# Altium PCB PCB_TEST.PcbDoc (part 6 of 6) (continued)
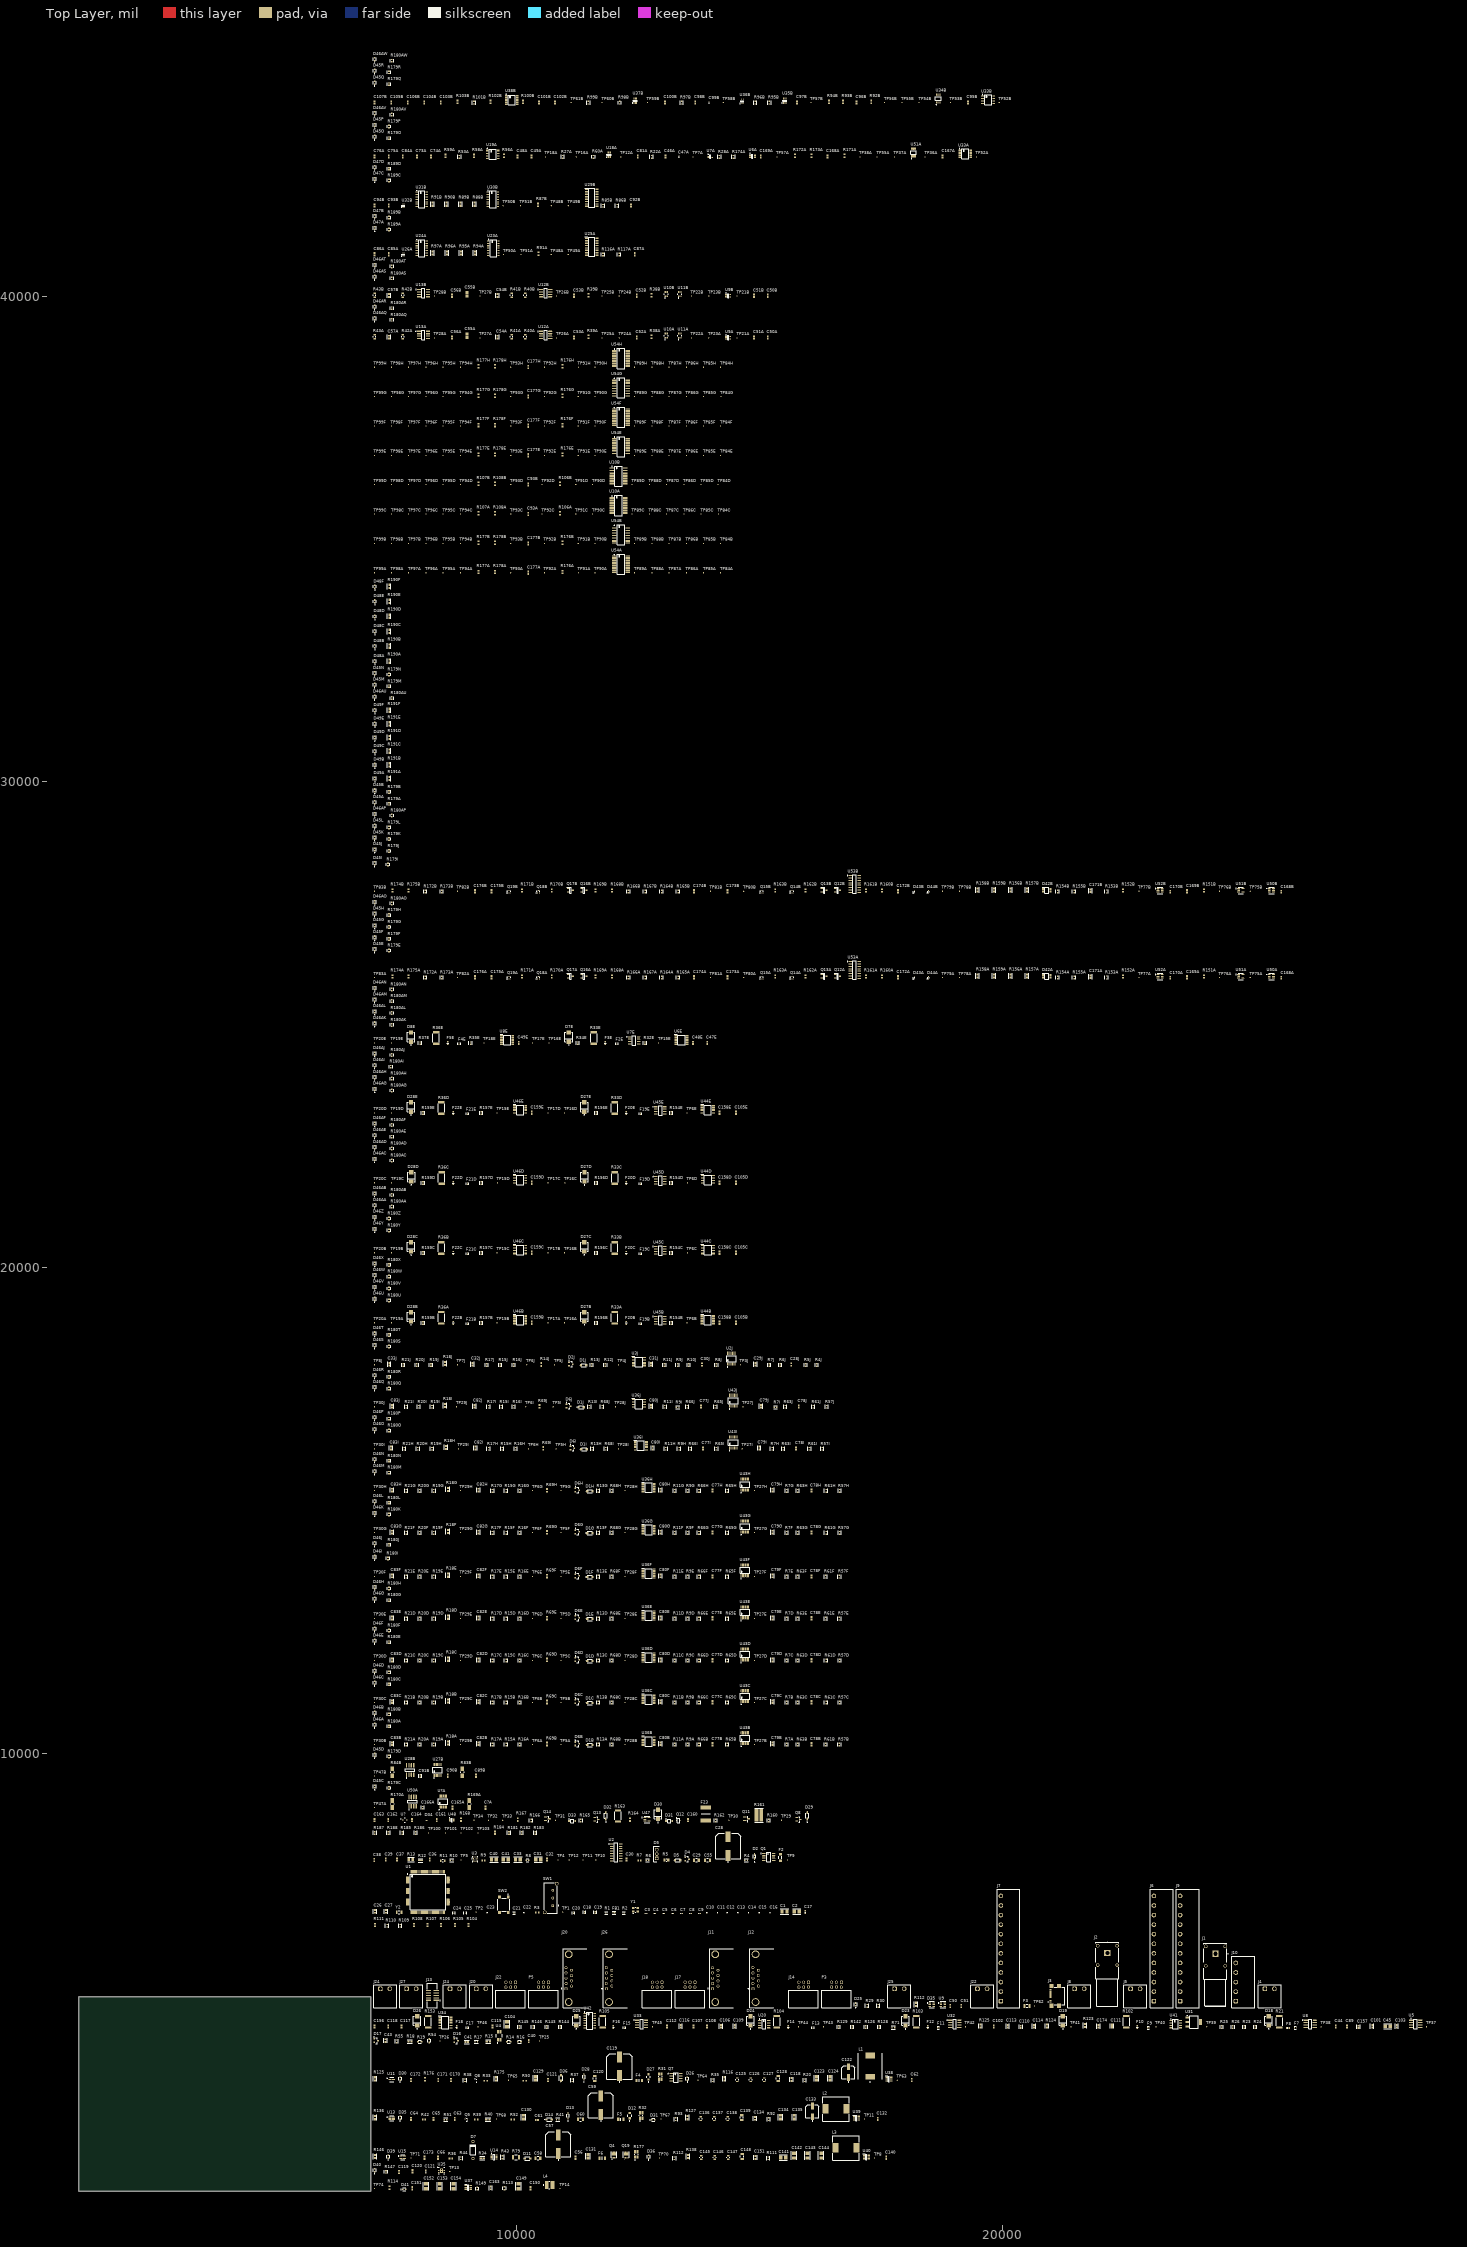
[diagram p0: Top Layer view]
## Nets (pads, with @x,y where several pads share a name; then routed paths per layer and width w, separated by ;. In a path a pad name is that pad's centre, name@x,y a point inside that pad or via, vN(x,y) a via of type N, cw(c..) or ccw(c..) an arc to the next point about the centre after c; other vN are vias at no path point) (continued)
  other v2: 8460,1398.35 8460,1441.65
HSE_OSC_IN: C18.1 U1.23 Y1.1
HSE_OSC_NEG: C19.1 R2.1 Y1.3
HSE_OSC_OUT: R2.2 U1.24
I2C_1K_BJT_BA: Q19A.1 R171A.1@10120,25965.47
I2C_1K_BJT_BB: Q19B.1 R171B.1
I2C_1K_PMOS_DA: C176A.2 Q16A.3 R174A.2@7450,26024.53 R175A.2 R179E.1
I2C_1K_PMOS_DB: C176B.2 Q16B.3 R174B.2 R175B.2 R179I.1
I2C_1K_PMOS_GA: Q16A.1 Q19A.3 R168A.1
I2C_1K_PMOS_GB: Q16B.1 Q19B.3 R168B.1
I2C_2K2_BJT_BA: Q14A.1 R162A.1
I2C_2K2_BJT_BB: Q14B.1 R162B.1
I2C_2K2_PMOS_DA: C173A.2 Q12A.3 R164A.2 R165A.2 R179F.1
I2C_2K2_PMOS_DB: C173B.2 Q12B.3 R164B.2 R165B.2 R179J.1
I2C_2K2_PMOS_GA: Q12A.1 Q14A.3 R160A.1
I2C_2K2_PMOS_GB: Q12B.1 Q14B.3 R160B.1
I2C_4K7_BJT_BA: Q18A.1 R170A.1@10730,25965.47
I2C_4K7_BJT_BB: Q18B.1 R170B.1
I2C_4K7_PMOS_DA: C175A.2 Q17A.3 R172A.2@8125,26001.64 R173A.2@8465,26001.64 R179G.1
I2C_4K7_PMOS_DB: C175B.2 Q17B.3 R172B.2 R173B.2 R179K.1
I2C_4K7_PMOS_GA: Q17A.1 Q18A.3 R169A.1@11630,25965.47
I2C_4K7_PMOS_GB: Q17B.1 Q18B.3 R169B.1
I2C_10K_BJT_BA: Q15A.1 R163A.1
I2C_10K_BJT_BB: Q15B.1 R163B.1
I2C_10K_PMOS_DA: C174A.2 Q13A.3 R166A.1 R167A.1 R179H.1
I2C_10K_PMOS_DB: C174B.2 Q13B.3 R166B.1 R167B.1 R179L.1
I2C_10K_PMOS_GA: Q13A.1 Q15A.3 R161A.1
I2C_10K_PMOS_GB: Q13B.1 Q15B.3 R161B.1
I2C_DMUX_Y0A: R171A.2@10120,26024.53 TP83A.1 U53A.15
I2C_DMUX_Y0B: R171B.2 TP83B.1 U53B.15
I2C_DMUX_Y1A: R162A.2 TP80A.1 U53A.14
I2C_DMUX_Y1B: R162B.2 TP80B.1 U53B.14
I2C_DMUX_Y2A: R170A.2@10730,26024.53 TP82A.1 U53A.13
I2C_DMUX_Y2B: R170B.2 TP82B.1 U53B.13
I2C_DMUX_Y3A: R163A.2 TP81A.1 U53A.12
I2C_DMUX_Y3B: R163B.2 TP81B.1 U53B.12
I2C_DUT.DUT_SCLA: P5.3 R157A.2
I2C_DUT.DUT_SCLB: J22.3 R157B.2@20515,27807.56
I2C_DUT.DUT_SDAA: P5.1 R159A.2
I2C_DUT.DUT_SDAB: J22.1@9985,5296.65 R159B.2@19835,27807.56
I2C_DUT_VCCA: Q12A.2 Q13A.2 Q16A.2 Q17A.2 R153A.2 R160A.2 R161A.2 R168A.2 R169A.2@11630,26024.53 TP76A.1 U50A.5@25583.33,26000 U50A.6@25583.33,26037.4 U52A.5 U52A.6
I2C_DUT_VCCB: Q12B.2 Q13B.2 Q16B.2 Q17B.2 R153B.2 R160B.2 R161B.2 R168B.2 R169B.2 TP76B.1 U50B.5 U50B.6 U52B.5 U52B.6
I2C_SCL1A: D42A.3 R154A.1 R156A.2 TP78A.1
I2C_SCL1B: D42B.3 R154B.1@21140,27718.36 R156B.2@20175,27807.56 TP78B.1
I2C_SCL2A: D42A.6 D43A.2 R157A.1 R164A.1 R166A.2 R172A.1@8125,25948.36 R174A.1@7450,25965.47
I2C_SCL2B: D42B.6 D43B.2 R157B.1@20515,27742.44 R164B.1 R166B.2 R172B.1 R174B.1
I2C_SDA1A: D42A.4 R155A.1 R158A.2 TP79A.1
I2C_SDA1B: D42B.4 R155B.1 R158B.2 TP79B.1
I2C_SDA2A: D42A.5 D44A.2 R159A.1 R165A.1 R167A.2 R173A.1@8465,25948.36 R175A.1
I2C_SDA2B: D42B.5 D44B.2 R159B.1@19835,27742.44 R165B.1 R167B.2 R173B.1 R175B.1
I2C_V_SELECTA: R151A.2 R180AO.1 TP75A.1 TP87B.1 U50A.3@25496.67,25962.6 U51A.2@24866.67,26000 U54B.24
I2C_V_SELECTA_N: R152A.2 TP77A.1 U51A.4@24953.33,25962.6 U52A.3
I2C_V_SELECTB: R151B.2 R180AP.1 TP75B.1 TP91B.1 U50B.3 U51B.2 U54B.28
I2C_V_SELECTB_N: R152B.2 TP77B.1 U51B.4 U52B.3
ILIM: R12.2 U3.10
IOex_GPA0H: TP84H.1 U54H.21
IOex_GPA1H: TP85H.1 U54H.22
IOex_GPA2H: TP86H.1 U54H.23
IOex_GPA3H: TP87H.1 U54H.24
IOex_GPA4H: TP88H.1 U54H.25
IOex_GPA5H: TP89H.1 U54H.26
IOex_GPA6H: TP90H.1 U54H.27
IOex_GPA7H: TP91H.1 U54H.28
IOex_GPB0B: TP92B.1 U54B.1
IOex_GPB0H: TP92H.1 U54H.1
IOex_GPB1B: TP93B.1 U54B.2
IOex_GPB1H: TP93H.1 U54H.2
IOex_GPB2A: TP94A.1 U54A.3
IOex_GPB2B: TP94B.1 U54B.3
IOex_GPB2C: TP94C.1 U10A.3@11967.2,35805.16
IOex_GPB2D: TP94D.1 U10B.3@11967.2,36410.16
IOex_GPB2E: TP94E.1 U54E.3
IOex_GPB2F: TP94F.1 U54F.3
IOex_GPB2G: TP94G.1 U54G.3
IOex_GPB2H: TP94H.1 U54H.3
IOex_GPB3A: TP95A.1 U54A.4
IOex_GPB3B: TP95B.1 U54B.4
IOex_GPB3C: TP95C.1 U10A.4@11967.2,35779.57
IOex_GPB3D: TP95D.1 U10B.4@11967.2,36384.57
IOex_GPB3E: TP95E.1 U54E.4
IOex_GPB3F: TP95F.1 U54F.4
IOex_GPB3G: TP95G.1 U54G.4
IOex_GPB3H: TP95H.1 U54H.4
IOex_GPB4A: TP96A.1 U54A.5
IOex_GPB4B: TP96B.1 U54B.5
IOex_GPB4C: TP96C.1 U10A.5@11967.2,35753.98
IOex_GPB4D: TP96D.1 U10B.5@11967.2,36358.98
IOex_GPB4E: TP96E.1 U54E.5
IOex_GPB4F: TP96F.1 U54F.5
IOex_GPB4G: TP96G.1 U54G.5
IOex_GPB4H: TP96H.1 U54H.5
IOex_GPB5A: TP97A.1 U54A.6
IOex_GPB5B: TP97B.1 U54B.6
IOex_GPB5C: TP97C.1 U10A.6@11967.2,35728.39
IOex_GPB5D: TP97D.1 U10B.6@11967.2,36333.39
IOex_GPB5E: TP97E.1 U54E.6
IOex_GPB5F: TP97F.1 U54F.6
IOex_GPB5G: TP97G.1 U54G.6
IOex_GPB5H: TP97H.1 U54H.6
IOex_GPB6A: TP98A.1 U54A.7
IOex_GPB6B: TP98B.1 U54B.7
IOex_GPB6C: TP98C.1 U10A.7
IOex_GPB6D: TP98D.1 U10B.7
IOex_GPB6E: TP98E.1 U54E.7
IOex_GPB6F: TP98F.1 U54F.7
IOex_GPB6G: TP98G.1 U54G.7
IOex_GPB6H: TP98H.1 U54H.7
IOex_GPB7A: TP99A.1 U54A.8
IOex_GPB7B: TP99B.1 U54B.8
IOex_GPB7C: TP99C.1 U10A.8
IOex_GPB7D: TP99D.1 U10B.8
IOex_GPB7E: TP99E.1 U54E.8
IOex_GPB7F: TP99F.1 U54F.8
IOex_GPB7G: TP99G.1 U54G.8
IOex_GPB7H: TP99H.1 U54H.8
IOex_INTAA: R177A.2 U54A.20
IOex_INTAB: R177B.2 U54B.20
IOex_INTAC: R107A.2 U10A.20
IOex_INTAD: R107B.2 U10B.20
IOex_INTAE: R177E.2 U54E.20
IOex_INTAF: R177F.2 U54F.20
IOex_INTAG: R177G.2 U54G.20
IOex_INTAH: R177H.2 U54H.20
IOex_INTBA: R178A.2 U54A.19
IOex_INTBB: R178B.2 U54B.19
IOex_INTBC: R108A.2 U10A.19
IOex_INTBD: R108B.2 U10B.19
IOex_INTBE: R178E.2 U54E.19
IOex_INTBF: R178F.2 U54F.19
IOex_INTBG: R178G.2 U54G.19
IOex_INTBH: R178H.2 U54H.19
IOex_nRESETA: R176A.1 U54A.18
IOex_nRESETB: R176B.1 U54B.18
IOex_nRESETC: R106A.1 U10A.18
IOex_nRESETD: R106B.1 U10B.18
IOex_nRESETE: R176E.1 U54E.18
IOex_nRESETF: R176F.1 U54F.18
IOex_nRESETG: R176G.1 U54G.18
IOex_nRESETH: R176H.1 U54H.18
LED_DR_3V3A: R190A.1
LED_DR_3V3B: R190B.1
LED_DR_3V3C: R190C.1
LED_DR_3V3D: R191D.1
LED_DR_3V3E: R190E.1
LED_DR_3V3F: R190F.1
Level_shifter_DIR: R168.2 U48.5
Level_shifter_OUT: D34.2 J25.1 U48.4
MCU_SCL_INT: U10A.12 U10B.12 U54A.12 U54B.12 U54E.12 U54F.12 U54G.12 U54H.12
MCU_SCLA: R156A.1
MCU_SCLB: R156B.1@20175,27742.44
MCU_SDA_INT: U10A.13 U10B.13 U54A.13 U54B.13 U54E.13 U54F.13 U54G.13 U54H.13
MCU_SDAA: R158A.1
MCU_SDAB: R158B.1
MCU_UART_RXA: R22A.1 R174A.1@14470,42838.36 TP7A.1
MCU_UART_RXB: R95B.1 R97B.1 TP58B.1
MCU_UART_TXA: R27A.1 TP16A.1@11235,42865
MCU_UART_TXB: R99B.1 TP60B.1
MUX_Out_1A: R156B.2@11645,18889.78 U44B.13 U45B.3
MUX_Out_1B: R156C.2 U44C.13 U45C.3
MUX_Out_1C: R156D.2 U44D.13 U45D.3
MUX_Out_1D: R156E.2 U44E.13 U45E.3
MUX_Out_1E: R34E.2 U6E.13 U7E.3
MUX_Out_2A: R159B.2@8080,18889.78 U45B.5 U46B.13
MUX_Out_2B: R159C.2 U45C.5 U46C.13
MUX_Out_2C: R159D.2 U45D.5 U46D.13
MUX_Out_2D: R159E.2 U45E.5 U46E.13
MUX_Out_2E: R37E.2 U7E.5 U8E.13
N_DI_3V3_compA: R7A.1 R57B.2 TP27B.1@14905,10190 U36B.15 U43B.1
N_DI_3V3_compB: R7B.1 R57C.2 TP27C.1 U36C.15 U43C.1
N_DI_3V3_compC: R7C.1 R57D.2 TP27D.1 U36D.15 U43D.1
N_DI_3V3_compD: R7D.1 R57E.2 TP27E.1 U36E.15 U43E.1
N_DI_3V3_compE: R7E.1 R57F.2 TP27F.1 U36F.15 U43F.1
N_DI_3V3_compF: R7F.1 R57G.2 TP27G.1 U36G.15 U43G.1
N_DI_3V3_compG: R7G.1 R57H.2 TP27H.1 U36H.15 U43H.1
N_DI_3V3_compH: R7H.1 R57I.2 TP27I.1 U36I.15 U43I.1
N_DI_3V3_compI: R7I.1 R57J.2 TP27J.1 U36J.15 U43J.1
N_DI_3V3_compJ: R4J.2 R7J.1 TP3J.1 U2J.1 U3J.15
N_DI_5V_compA: R11A.1 R66B.2 TP28B.1@12240,10190 U36B.14 U43B.2
N_DI_5V_compB: R11B.1 R66C.2 TP28C.1 U36C.14 U43C.2
N_DI_5V_compC: R11C.1 R66D.2 TP28D.1 U36D.14 U43D.2
N_DI_5V_compD: R11D.1 R66E.2 TP28E.1 U36E.14 U43E.2
N_DI_5V_compE: R11E.1 R66F.2 TP28F.1 U36F.14 U43F.2
N_DI_5V_compF: R11F.1 R66G.2 TP28G.1 U36G.14 U43G.2
N_DI_5V_compG: R11G.1 R66H.2 TP28H.1 U36H.14 U43H.2
N_DI_5V_compH: R11H.1 R66I.2 TP28I.1 U36I.14 U43I.2
N_DI_5V_compI: R11I.1 R66J.2 TP28J.1 U36J.14 U43J.2
N_DI_5V_compJ: R10J.2 R11J.1 TP4J.1 U2J.2 U3J.14
N_DI_12V_compA: R16A.2 R17A.1 TP29B.1 U36B.13 U43B.14
N_DI_12V_compB: R16B.2 R17B.1 TP29C.1 U36C.13 U43C.14
N_DI_12V_compC: R16C.2 R17C.1 TP29D.1 U36D.13 U43D.14
N_DI_12V_compD: R16D.2 R17D.1 TP29E.1 U36E.13 U43E.14
N_DI_12V_compE: R16E.2 R17E.1 TP29F.1 U36F.13 U43F.14
N_DI_12V_compF: R16F.2 R17F.1 TP29G.1 U36G.13 U43G.14
N_DI_12V_compG: R16G.2 R17G.1 TP29H.1 U36H.13 U43H.14
N_DI_12V_compH: R16H.2 R17H.1 TP29I.1 U36I.13 U43I.14
N_DI_12V_compI: R16I.2 R17I.1 TP29J.1 U36J.13 U43J.14
N_DI_12V_compJ: R16J.2 R17J.1 TP7J.1 U2J.14 U3J.13
N_DI_24V_compA: R20A.2 R21A.1 TP30B.1 U36B.12 U43B.13
N_DI_24V_compB: R20B.2 R21B.1 TP30C.1 U36C.12 U43C.13
N_DI_24V_compC: R20C.2 R21C.1 TP30D.1 U36D.12 U43D.13
N_DI_24V_compD: R20D.2 R21D.1 TP30E.1 U36E.12 U43E.13
N_DI_24V_compE: R20E.2 R21E.1 TP30F.1 U36F.12 U43F.13
N_DI_24V_compF: R20F.2 R21F.1 TP30G.1 U36G.12 U43G.13
N_DI_24V_compG: R20G.2 R21G.1 TP30H.1 U36H.12 U43H.13
N_DI_24V_compH: R20H.2 R21H.1 TP30I.1 U36I.12 U43I.13
N_DI_24V_compI: R20I.2 R21I.1 TP30J.1 U36J.12 U43J.13
N_DI_24V_compJ: R20J.2 R21J.1 TP8J.1 U2J.13 U3J.12
NetC1_2: C1.2 C2.2 C3.1 C4.1 C5.1 C6.1 C7.1 C8.1 C9.1 C10.1 C11.1 C12.1 C13.1 C14.1 C15.1 C16.1 C17.1
NetC101_2: C101.2 U5.4
NetC161_1: C161.1 U48.1
NetC171A_1: C171A.1 D42A.7 D42A.8 R153A.1
NetC171B_1: C171B.1 D42B.7 D42B.8 R153B.1
NetD25_2: D25.2@16985,4869.53 R112.2@18225,4872.56
NetD26_2: D26.2@13520,3339.53 R116.2
NetD30_2: D30.2@7610,3339.53 R125.2@7095,3342.56
NetD31_2: D31.2@12849.53,2465 R127.2
NetD35_2: D35.2@7610,2539.53 R136.2
NetD36_2: D36.2@12725,1734.53 R138.2
NetD39_2: D39.2 R146.2@7095,1742.56
NetD40_2: D40.2 R147.2
NetD41_2: D41.2 R149.2
NetD45A_2: D45A.2 R179A.2
NetD45B_2: D45B.2 R179B.2
NetD45C_2: D45C.2 R179C.2
NetD45D_2: D45D.2 R179D.2
NetD45E_2: D45E.2 R179E.2
NetD45F_2: D45F.2 R179F.2
NetD45G_2: D45G.2 R179G.2
NetD45H_2: D45H.2 R179H.2
NetD45I_2: D45I.2 R179I.2
NetD45J_2: D45J.2 R179J.2
NetD45K_2: D45K.2 R179K.2
NetD45L_2: D45L.2 R179L.2
NetD45M_2: D45M.2 R179M.2
NetD45N_2: D45N.2 R179N.2
NetD45O_2: D45O.2 R179O.2
NetD45P_2: D45P.2 R179P.2
NetD45Q_2: D45Q.2 R179Q.2
NetD45R_2: D45R.2 R179R.2
NetD46A_2: D46A.2 R180A.2
NetD46AA_2: D46AA.2 R180AA.2
NetD46AB_2: D46AB.2 R180AB.2
NetD46AC_2: D46AC.2 R180AC.2
NetD46AD_2: D46AD.2 R180AD.2
NetD46AE_2: D46AE.2 R180AE.2
NetD46AF_2: D46AF.2 R180AF.2
NetD46AG_2: D46AG.2 R180AG.2
NetD46AH_2: D46AH.2 R180AH.2
NetD46AI_2: D46AI.2 R180AI.2
NetD46AJ_2: D46AJ.2 R180AJ.2
NetD46AK_2: D46AK.2 R180AK.2
NetD46AL_2: D46AL.2 R180AL.2
NetD46AM_2: D46AM.2 R180AM.2
NetD46AN_2: D46AN.2 R180AN.2
NetD46AO_2: D46AO.2 R180AO.2
NetD46AP_2: D46AP.2 R180AP.2
NetD46AQ_2: D46AQ.2 R180AQ.2
NetD46AR_2: D46AR.2 R180AR.2
NetD46AS_2: D46AS.2 R180AS.2
NetD46AT_2: D46AT.2 R180AT.2
NetD46AU_2: D46AU.2 R180AU.2
NetD46AV_2: D46AV.2 R180AV.2
NetD46AW_2: D46AW.2 R180AW.2
NetD46B_2: D46B.2 R180B.2
NetD46C_2: D46C.2 R180C.2
NetD46D_2: D46D.2 R180D.2
NetD46E_2: D46E.2 R180E.2
NetD46F_2: D46F.2 R180F.2
NetD46G_2: D46G.2 R180G.2
NetD46H_2: D46H.2 R180H.2
NetD46I_2: D46I.2 R180I.2
NetD46J_2: D46J.2 R180J.2
NetD46K_2: D46K.2 R180K.2
NetD46L_2: D46L.2 R180L.2
NetD46M_2: D46M.2 R180M.2
NetD46N_2: D46N.2 R180N.2
NetD46O_2: D46O.2 R180O.2
NetD46P_2: D46P.2 R180P.2
NetD46Q_2: D46Q.2 R180Q.2
NetD46R_2: D46R.2 R180R.2
NetD46S_2: D46S.2 R180S.2
NetD46T_2: D46T.2 R180T.2
NetD46U_2: D46U.2 R180U.2
NetD46V_2: D46V.2 R180V.2
NetD46W_2: D46W.2 R180W.2
NetD46X_2: D46X.2 R180X.2
NetD46Y_2: D46Y.2 R180Y.2
NetD46Z_2: D46Z.2 R180Z.2
NetD47A_2: D47A.2 R189A.2
NetD47B_2: D47B.2 R189B.2
NetD47C_2: D47C.2 R189C.2
NetD47D_2: D47D.2 R189D.2
NetD48A_2: D48A.2 R190A.2
NetD48B_2: D48B.2 R190B.2
NetD48C_2: D48C.2 R190C.2
NetD48D_2: D48D.2 R190D.2
NetD48E_2: D48E.2 R190E.2
NetD48F_2: D48F.2 R190F.2
NetD49A_2: D49A.2 R191A.2
NetD49B_2: D49B.2 R191B.2
NetD49C_2: D49C.2 R191C.2
NetD49D_2: D49D.2 R191D.2
NetD49E_2: D49E.2 R191E.2
NetD49F_2: D49F.2 R191F.2
NetR56A_2: R56A.2 U19A.12
NetR83B_1: R83B.1 U27B.6
NetR84B_1: R84B.1 U27B.11
NetR100B_2: R100B.2 U38B.12
NetR169A_1: R169A.1@9035,8892.17 U?A.6
NetR170A_1: R170A.1@7450,8892.17 U?A.11
NetU48_6: U48.6 U?.4
NMOS_drain: D30.1@12915,8653.54 D31.1@13080.63,8615 F23.1 Q12.1 Q12.2 Q12.5 Q12.6 R161.1
NMOS_gate: Q12.3 R163.2
NRST: C23.2 SW2.A SW2.A' TP2.1 U1.25
OPA_clamped_1A: D27B.1 F20B.1 R33A.2 TP6B.1@13515,18870
OPA_clamped_1B: D27C.1 F20C.1 R33B.2 TP6C.1@13520,20310
OPA_clamped_1C: D27D.1 F20D.1 R33C.2 TP6D.1@13520,21750
OPA_clamped_1D: D27E.1 F20E.1 R33D.2 TP6E.1@13515,23190
OPA_clamped_1E: D7E.1 F3E.1 R33E.2 TP15E.1@12930,24630
OPA_clamped_2A: D28B.1 F22B.1 R36A.2 TP15B.1
OPA_clamped_2B: D28C.1 F22C.1 R36B.2 TP15C.1
OPA_clamped_2C: D28D.1 F22D.1 R36C.2 TP15D.1
OPA_clamped_2D: D28E.1 F22E.1 R36D.2 TP15E.1@9605,23190
OPA_clamped_2E: D8E.1 F5E.1 R36E.2 TP18E.1
OPA_fuse_1A: F19B.1 F20B.2 F21B.1 F22B.2
OPA_fuse_1B: F19C.1 F20C.2 F21C.1 F22C.2
OPA_fuse_1C: F19D.1 F20D.2 F21D.1 F22D.2
OPA_fuse_1D: F19E.1 F20E.2 F21E.1 F22E.2
OPA_fuse_1E: F2E.1 F3E.2 F4E.1 F5E.2
OPA_Out_1A: R33A.1 U45B.1 U45B.2
OPA_Out_1B: R33B.1 U45C.1 U45C.2
OPA_Out_1C: R33C.1 U45D.1 U45D.2
OPA_Out_1D: R33D.1 U45E.1 U45E.2
OPA_Out_1E: R33E.1 U7E.1 U7E.2
OPA_Out_2A: R36A.1 U45B.6 U45B.7
OPA_Out_2B: R36B.1 U45C.6 U45C.7
OPA_Out_2C: R36C.1 U45D.6 U45D.7
OPA_Out_2D: R36D.1 U45E.6 U45E.7
OPA_Out_2E: R36E.1 U7E.6 U7E.7
OSC32_IN: C26.1 U1.8 Y2.2
OSC32_OUT: C27.1 U1.9 Y2.1
OV_IN_DETECT: D4.1 R5.1 R7.2
POWER_CTL_A: TP10.1 TP91G.1 U2.1 U54G.28
POWER_CTL_B: TP11.1@11375,7815 TP92G.1 U2.2 U54G.1
POWER_OUT_EN: TP12.1 TP93G.1 U2.6 U54G.2
PR1: R8.1 R10.2 U3.6
PULLDOWN_SEL_A0_CH1: TP84B.1 U53A.1 U54B.21
PULLDOWN_SEL_A0_CH2: TP88B.1 U53B.1 U54B.25
PULLDOWN_SEL_A1_CH1: TP85B.1 U53A.2 U54B.22
PULLDOWN_SEL_A1_CH2: TP89B.1 U53B.2 U54B.26
PULLDOWN_SEL_EN_CH1: TP86B.1 U53A.6 U54B.23
PULLDOWN_SEL_EN_CH2: TP90B.1 U53B.6 U54B.27
PWM_CAPTURED_EDGE_MCUA: TP27A.1 U12A.6 U13A.6
PWM_CAPTURED_EDGE_MCUB: TP27B.1@9250,40000 U12B.6 U13B.6
PWM_DUT_OUT_HV: F23.2 J22.1@19491.57,5162.48
PWM_GEN_HV_12V: R164.2 R179M.1 TP32.1 TP88G.1 U54G.25
PWM_GEN_HV_24V: R167.2 R179N.1 TP33.1 TP89G.1 U54G.26
PWM_GEN_HV_MCU_N: U47.4
PWM_GEN_LV_MCU: U48.3
PWM_GEN_LV_VSEL: R180AU.1 TP34.1 TP90G.1 U54G.27 U?.6
PWM_HV_SHDNA: TP21A.1 U9A.4 U13A.8
PWM_HV_SHDNB: TP21B.1 U9B.4 U13B.8
PWM_IN_HVA: J20.1@9176.57,5162.48 R42A.1
PWM_IN_HVB: J24.1@8636.57,5162.48 R42B.1
PWM_IN_LVA: J24.1@7201.57,5162.48 R40A.1
PWM_IN_LVB: J27.1 R40B.1
PWM_LV_SHDNA: R38A.1 R180AQ.1 TP24A.1 TP84G.1 U9A.2 U12A.8 U54G.21
PWM_LV_SHDNB: R38B.1 R180AS.1 TP24B.1 TP86G.1 U9B.2 U12B.8 U54G.23
PWM_MODE_1A: R39A.1 R180AR.1 TP25A.1 TP85G.1 U10A.6@13059.41,39228.31 U11A.6 U54G.22
PWM_MODE_1B: R39B.1 R180AT.1 TP25B.1 TP87G.1 U10B.6@13059.41,40083.31 U11B.6 U54G.24
QSPI_IO0: R105.1@8735,6447.44
QSPI_IO0_FLASH: R105.2@8735,6502.56 U39.5
QSPI_IO1: R106.1
QSPI_IO1_FLASH: R106.2
QSPI_IO2: R107.1
QSPI_IO2_FLASH: R107.2 R109.2
QSPI_IO3: R108.1
QSPI_IO3_FLASH: R108.2 R110.2
QSPI_NCS: R111.1@7095,6445.47 U39.1
QSPI_SCK: R104.1@9015,6447.44
QSPI_SCK_FLASH: R104.2@9015,6502.56 U39.6
RoutA: R53A.2 U19A.9
RoutB: R101B.2 U38B.9
RS232_ENABLEA: R179O.1 TP57A.1 U19A.16 U33A.8
RS232_ENABLEA_n: TP55A.1 U19A.1 U33A.6 U33A.9 U33A.10
RS232_ENABLEB: R179Q.1 TP57B.1 U33B.8 U38B.16
RS232_ENABLEB_n: TP55B.1 U33B.6 U33B.9 U33B.10 U38B.1
RS232_RX_IN_DUTA: J12.2 R59A.2
RS232_RX_IN_DUTB: J20.2@11024.09,5270.94 R103B.2
RS232_RX_INA: R59A.1
RS232_RX_INB: R103B.1
RS232_TX_OUT_DUTA: J12.3 R58A.2
RS232_TX_OUT_DUTB: J20.3 R102B.2
RS232_TX_OUTA: R58A.1 U19A.8 U19A.13
RS232_TX_OUTB: R102B.1 U38B.8 U38B.13
SPI_EN_MASTER_NSLAVEA: TP51A.1 TP87A.1 U25A.1 U54A.24
SPI_EN_MASTER_NSLAVEB: TP51B.1 TP89A.1 U29B.1 U54A.26
SPI_ENA: R91A.2 TP50A.1 TP86A.1 U25A.6 U54A.23
SPI_ENB: R87B.2 TP50B.1 TP88A.1 U29B.6 U54A.25
SPI_MASTER_N_ENABLEA: D47A.1 R116A.1 TP48A.1 U23A.1 U23A.4 U23A.10 U23A.13 U25A.15
SPI_MASTER_N_ENABLEB: D47C.1 R85B.1 TP48B.1 U29B.15 U30B.1 U30B.4 U30B.10 U30B.13
SPI_MISO_OUT_UNPROTECTEDA: R94A.1 U23A.2 U24A.3
SPI_MISO_OUT_UNPROTECTEDB: R88B.1 U30B.2 U31B.3
SPI_MISO_OUTA: J14.1 R94A.2 U26A.6
SPI_MISO_OUTB: J17.1 R88B.2 U32B.6
SPI_MISOA: U23A.3 U24A.2
SPI_MISOB: U30B.3 U31B.2
SPI_MOSI_OUT_UNPROTECTEDA: R95A.1 U23A.6 U24A.5
SPI_MOSI_OUT_UNPROTECTEDB: R89B.1 U30B.6 U31B.5
SPI_MOSI_OUTA: J14.3 R95A.2 U26A.4
SPI_MOSI_OUTB: J17.3 R89B.2 U32B.4
SPI_MOSIA: U23A.5 U24A.6
SPI_MOSIB: U30B.5 U31B.6
SPI_NCS_OUT_UNPROTECTEDA: R97A.1 U23A.11 U24A.12
SPI_NCS_OUT_UNPROTECTEDB: R91B.1 U30B.11 U31B.12
SPI_NCS_OUTA: J14.5 R97A.2 U26A.1
SPI_NCS_OUTB: J17.5 R91B.2 U32B.1
SPI_NCSA: U23A.12 U24A.11
SPI_NCSB: U30B.12 U31B.11
SPI_SCLK_OUT_UNPROTECTEDA: R96A.1 U23A.8 U24A.9
SPI_SCLK_OUT_UNPROTECTEDB: R90B.1 U30B.8 U31B.9
SPI_SCLK_OUTA: J14.4 R96A.2 U26A.3
SPI_SCLK_OUTB: J17.4 R90B.2 U32B.3
SPI_SCLKA: U23A.9 U24A.8
SPI_SCLKB: U30B.9 U31B.8
SPI_SLAVE_N_ENABLEA: D47B.1 R117A.1 TP49A.1 U24A.1 U24A.4 U24A.10 U24A.13 U25A.14
SPI_SLAVE_N_ENABLEB: D47D.1 R86B.1 TP49B.1 U29B.14 U31B.1 U31B.4 U31B.10 U31B.13
SS: C36.2 U3.11
ST: R9.1 TP5.1 U3.9
THYRISTOR_GATE: D5.3 R5.2
TTL_ENABLEA: R172A.1@15735,42855.47 R179P.1 TP37A.1 TP90A.1 U33A.1 U33A.2 U51A.1@18135.63,42874.26 U54A.27
TTL_ENABLEB: R94B.1 R179R.1 TP54B.1 TP92A.1 U33B.1 U33B.2 U34B.1 U54A.1
TTL_VCCBA: C47A.1 C49A.2 C168A.1@16405,42845.39 R171A.1@16755,42855.47 TP36A.1 U6A.6 U18A.6 U51A.8
TTL_VCCBB: C96B.1 C99B.1 C102B.2 R92B.1 TP53B.1 U34B.8 U35B.6 U37B.6
UART_MODE0A_n: TP52A.1 U33A.3 U33A.5
UART_MODE0B_n: TP52B.1 U33B.3 U33B.5
UART_MODE1A: R173A.1@16075,42855.47 R180AV.1 TP38A.1 TP91A.1 U33A.4 U51A.10 U54A.28
UART_MODE1B: R93B.1 R180AW.1 TP56B.1 TP93A.1 U33B.4 U34B.10 U54A.2
UART_RX_COMMONA: R22A.2 R53A.1 TP12A.1 U18A.3
UART_RX_COMMONB: R97B.2 R101B.1 TP59B.1 U37B.3
UART_RX_ESDA: P3.1 R60A.2 U7A.5
UART_RX_ESDB: J18.1 R98B.2 U36B.5@14630.32,44046.34
UART_RX_TransA: R60A.1 U18A.4
UART_RX_TransB: R98B.1 U37B.4
UART_TTL_TX_OUTA: P3.3 R28A.2 U7A.3
UART_TTL_TX_OUTB: J18.3 R96B.2 U36B.3@14669.69,43963.66
UART_TX_COMMONA: R27A.2 TP18A.1 U6A.3 U19A.11
UART_TX_COMMONB: R99B.2 TP61B.1 U35B.3 U38B.11
UART_TX_TransA: R28A.1 U6A.4
UART_TX_TransB: R96B.1 U35B.4
USB_D_N: U9.3
USB_D_P: U9.4
V_MinusA: C84A.1 U19A.7
V_MinusB: C106B.1 U38B.7
V_PlusA: C75A.1 U19A.3
V_PlusB: C105B.1@7425,43960.39 U38B.3
V_REF_HV_24V: R184.2 R188.1 TP103.1 U11A.1 U11B.1
V_TERMINAL: F2.1 J1.1
VBUS: C38.2 C39.2 C50.2 C51.2 D23.1 F3.2 R112.1@18225,4807.44 TP62.1 U3.2 U9.5
  other v1: 9139.25,7816.22
VBUS_RAW: F3.1 J3.A4-B9 J3.B4-A9
VCAP_1: C25.1 U1.71
VCAP_2: C24.1 U1.106
VDD_REGULATED: C1.1 C2.1 C3.2 C4.2 C5.2 C6.2 C7.2 C8.2 C9.2 C10.2 C11.2 C12.2 C13.2 C14.2 C15.2 C16.2 C17.2 C20.2 C40.2@10255,4109.61 C65.2 C66.2 C121.2@8135,1427.56 C171.2 D16.2 D17.2 FB1.2 R1.2 R5J.1 R7A.2 R7B.2 R7C.2 R7D.2 R7E.2 R7F.2 R7G.2 R7H.2 R7I.2 R7J.2 R8J.1 R11A.2 R11B.2 R11C.2 R11D.2 R11E.2 R11F.2 R11G.2 R11H.2 R11I.2 R11J.2 R14J.1 R16.2 R17A.2 R17B.2 R17C.2 R17D.2 R17E.2 R17F.2 R17G.2 R17H.2 R17I.2 R17J.2 R18A.1 R18B.1 R18C.1 R18D.1 R18E.1 R18F.1 R18G.1 R18H.1 R18I.1 R18J.1 R21A.2 R21B.2 R21C.2 R21D.2 R21E.2 R21F.2 R21G.2 R21H.2 R21I.2 R21J.2 R54.2 R61B.1 R61C.1 R61D.1 R61E.1 R61F.1 R61G.1 R61H.1 R61I.1 R61J.1 R65B.1 R65C.1 R65D.1 R65E.1 R65F.1 R65G.1 R65H.1 R65I.1 R65J.1 R69B.1 R69C.1 R69D.1 R69E.1 R69F.1 R69G.1 R69H.1 R69I.1 R69J.1 R147.1 R181.1 R182.1 R183.1 R184.1 SW1.1 TP13.1 U1.6 U1.17 U1.30 U1.39 U1.52 U1.62 U1.72 U1.84 U1.95 U1.108 U1.121 U1.131 U1.143 U1.144 U4.8 U11.3 U13.3 U15.3 U35.4
VIN: C28.2 C29.1 C125.1 C126.1 C127.1 C128.1 C136.1 C137.1 C138.1 C139.1 C145.1 C146.1 C147.1 C148.1 D4.3 D5.1@13264.88,7805 D5.2@12890,7935.16 Q1.5 Q1.6 R11.2 TP9.1 U38.2 U38.3 U39.2 U39.3 U40.2 U40.3
VIN_ADC: C37.2 R11.1 R13.2
VIN_Polarity_Gate: C55.2 D2.2 Q1.2 Q1.4 R4.1 R6.2
VIN_Polarity_Source: C55.1 D2.1 Q1.1 Q1.3 R4.2
VIN_RAW: F2.2 Q1.7 Q1.8
Voltage_Select: D29.1 D32.1 R161.2 TP29.1
VREF/VDDA: C21.2 C22.2 FB1.1 R1.1 U1.32 U1.33
VREF_HV_12V: R183.2 R187.1 TP102.1 U11A.3 U11B.3
VREF_HVA: C57A.1 TP23A.1 U11A.4 U13A.2
VREF_HVB: C57B.1 TP23B.1 U11B.4 U13B.2
VREF_LV_3V3: R181.2 R185.1 TP100.1 U10A.3@13110.59,39141.69 U10B.3@13110.59,39996.69
VREF_LV_5V: R182.2 R186.1 TP101.1 U10A.1@13059.41,39141.69 U10B.1@13059.41,39996.69
VREF_LVA: C54A.1 TP22A.1 U10A.4@13110.59,39228.31 U12A.2
VREF_LVB: C54B.1 TP22B.1 U10B.4@13110.59,40083.31 U12B.2
VSENSE_HVA: R42A.2 R43A.1 TP28A.1 U13A.3
VSENSE_HVB: R42B.2 R43B.1 TP28B.1@8315,40000 U13B.3
VSENSE_LVA: R40A.2 R41A.1 TP26A.1 U12A.3
VSENSE_LVB: R40B.2 R41B.1 TP26B.1 U12B.3
pads on no net: D4.2 D35.1@18509.63,4872.4 D35.2@18509.63,4835 D35.3 D35.4 D35.5 D35.6 D46A.1 D46AA.1 D46AB.1 D46AC.1 D46AD.1 D46AE.1 D46AF.1 D46AG.1 D46AH.1 D46AI.1 D46AJ.1 D46AK.1 D46AL.1 D46AM.1 D46AN.1 D46AO.1 D46AP.1 D46AQ.1 D46AR.1 D46AS.1 D46AT.1 D46AU.1 D46AV.1 D46AW.1 D46B.1 D46C.1 D46D.1 D46E.1 D46F.1 D46G.1 D46H.1 D46I.1 D46J.1 D46K.1 D46L.1 D46M.1 D46N.1 D46O.1 D46P.1 D46Q.1 D46R.1 D46S.1 D46T.1 D46U.1 D46V.1 D46W.1 D46X.1 D46Y.1 D46Z.1 D48A.1 D48B.1 D48C.1 D48D.1 D48E.1 D48F.1 D49A.1 D49B.1 D49C.1 D49D.1 D49E.1 D49F.1 J1.2 J1.3 J1.4 J1.5 J2.2 J2.3 J2.4 J2.5 J3.5 J3.6 J3.A8 J3.B8 J11.1 J11.4 J11.5 J11.6 J11.8 J11.9 J11.SH1 J11.SH2 J12.1 J12.4 J12.6 J12.7 J12.8 J12.9 J12.SH1 J12.SH2 J13.1 J13.2 J13.3 J13.4 J13.5 J13.6 J13.7 J13.8 J13.9 J13.10 J18.6 J20.1@11024.09,5161.89 J20.4 J20.6 J20.7 J20.8 J20.9 J20.SH1 J20.SH2 J22.5 J26.1 J26.4 J26.5 J26.6 J26.8 J26.9 J26.SH1 J26.SH2 P3.6 P5.5 R190D.1 R191A.1 R191B.1 R191C.1 R191E.1 R191F.1 U1.1 U1.2 U1.3 U1.4 U1.5 U1.7 U1.10 U1.11 U1.12 U1.13 U1.14 U1.15 U1.18 U1.19 U1.20 U1.21 U1.22 U1.26 U1.27 U1.28 U1.29 U1.34 U1.35 U1.36 U1.37 U1.40 U1.41 U1.42 U1.43 U1.44 U1.45 U1.46 U1.47 U1.48 U1.49 U1.50 U1.53 U1.54 U1.55 U1.56 U1.57 U1.58 U1.59 U1.60 U1.63 U1.64 U1.65 U1.66 U1.67 U1.68 U1.69 U1.70 U1.73 U1.74 U1.75 U1.76 U1.77 U1.78 U1.79 U1.80 U1.81 U1.82 U1.85 U1.86 U1.87 U1.88 U1.89 U1.90 U1.91 U1.92 U1.93 U1.96 U1.97 U1.98 U1.99 U1.100 U1.101 U1.102 U1.103 U1.104 U1.105 U1.109 U1.110 U1.111 U1.112 U1.113 U1.114 U1.115 U1.116 U1.117 U1.118 U1.119 U1.122 U1.123 U1.124 U1.125 U1.126 U1.127 U1.128 U1.129 U1.132 U1.133 U1.134 U1.135 U1.136 U1.137 U1.139 U1.140 U1.141 U1.142 U2.7 U2.9 U2.10 U2.11 U2.12 U3J.5 U7A.2 U9A.1 U9B.1 U10A.11 U10A.14 U10B.11 U10B.14 U12A.1 U12A.5 U12B.1 U12B.5 U13A.1 U13A.5 U13B.1 U13B.5 U14.6 U19A.10 U20.1 U20.3 U20.5 U20.7 U20.8 U25A.7 U25A.9 U25A.10 U25A.11 U25A.12 U25A.13 U26A.5 U27B.1 U27B.2 U27B.3 U29B.7 U29B.9 U29B.10 U29B.11 U29B.12 U29B.13 U32B.5 U33A.11 U33A.12 U33A.13 U33B.11 U33B.12 U33B.13 U34.8 U34.10 U34.11 U34.12 U34.17 U35.3 U35.5 U36B.2@14650,43963.66 U36B.5@12609.33,10242.2 U36C.5 U36D.5 U36E.5 U36F.5 U36G.5 U36H.5 U36I.5 U36J.5 U38B.10 U41.4 U42.11 U50A.4@25583.33,25962.6 U50B.4 U51A.1@24866.67,26037.4 U51B.1 U52A.4 U52B.4 U53A.7 U53A.9 U53A.10 U53A.11 U53B.7 U53B.9 U53B.10 U53B.11 U54A.11 U54A.14 U54B.11 U54B.14 U54E.11 U54E.14 U54F.11 U54F.14 U54G.11 U54G.14 U54H.11 U54H.14 U?A.1 U?A.2 U?A.3

## Text inside footprints (layer, text, board x,y; h text height)
J11: Top 3D Body "PCB Edge" at 14461.54,6009.92 h32 r90
J12: Top 3D Body "PCB Edge" at 15291.54,6009.92 h32 r90
J20: Top 3D Body "PCB Edge" at 11446.54,6009.92 h32 r90
J26: Top 3D Body "PCB Edge" at 12276.54,6009.92 h32 r90